# Altium PCB MB1312.PcbDoc (part 1 of 4) (continued)
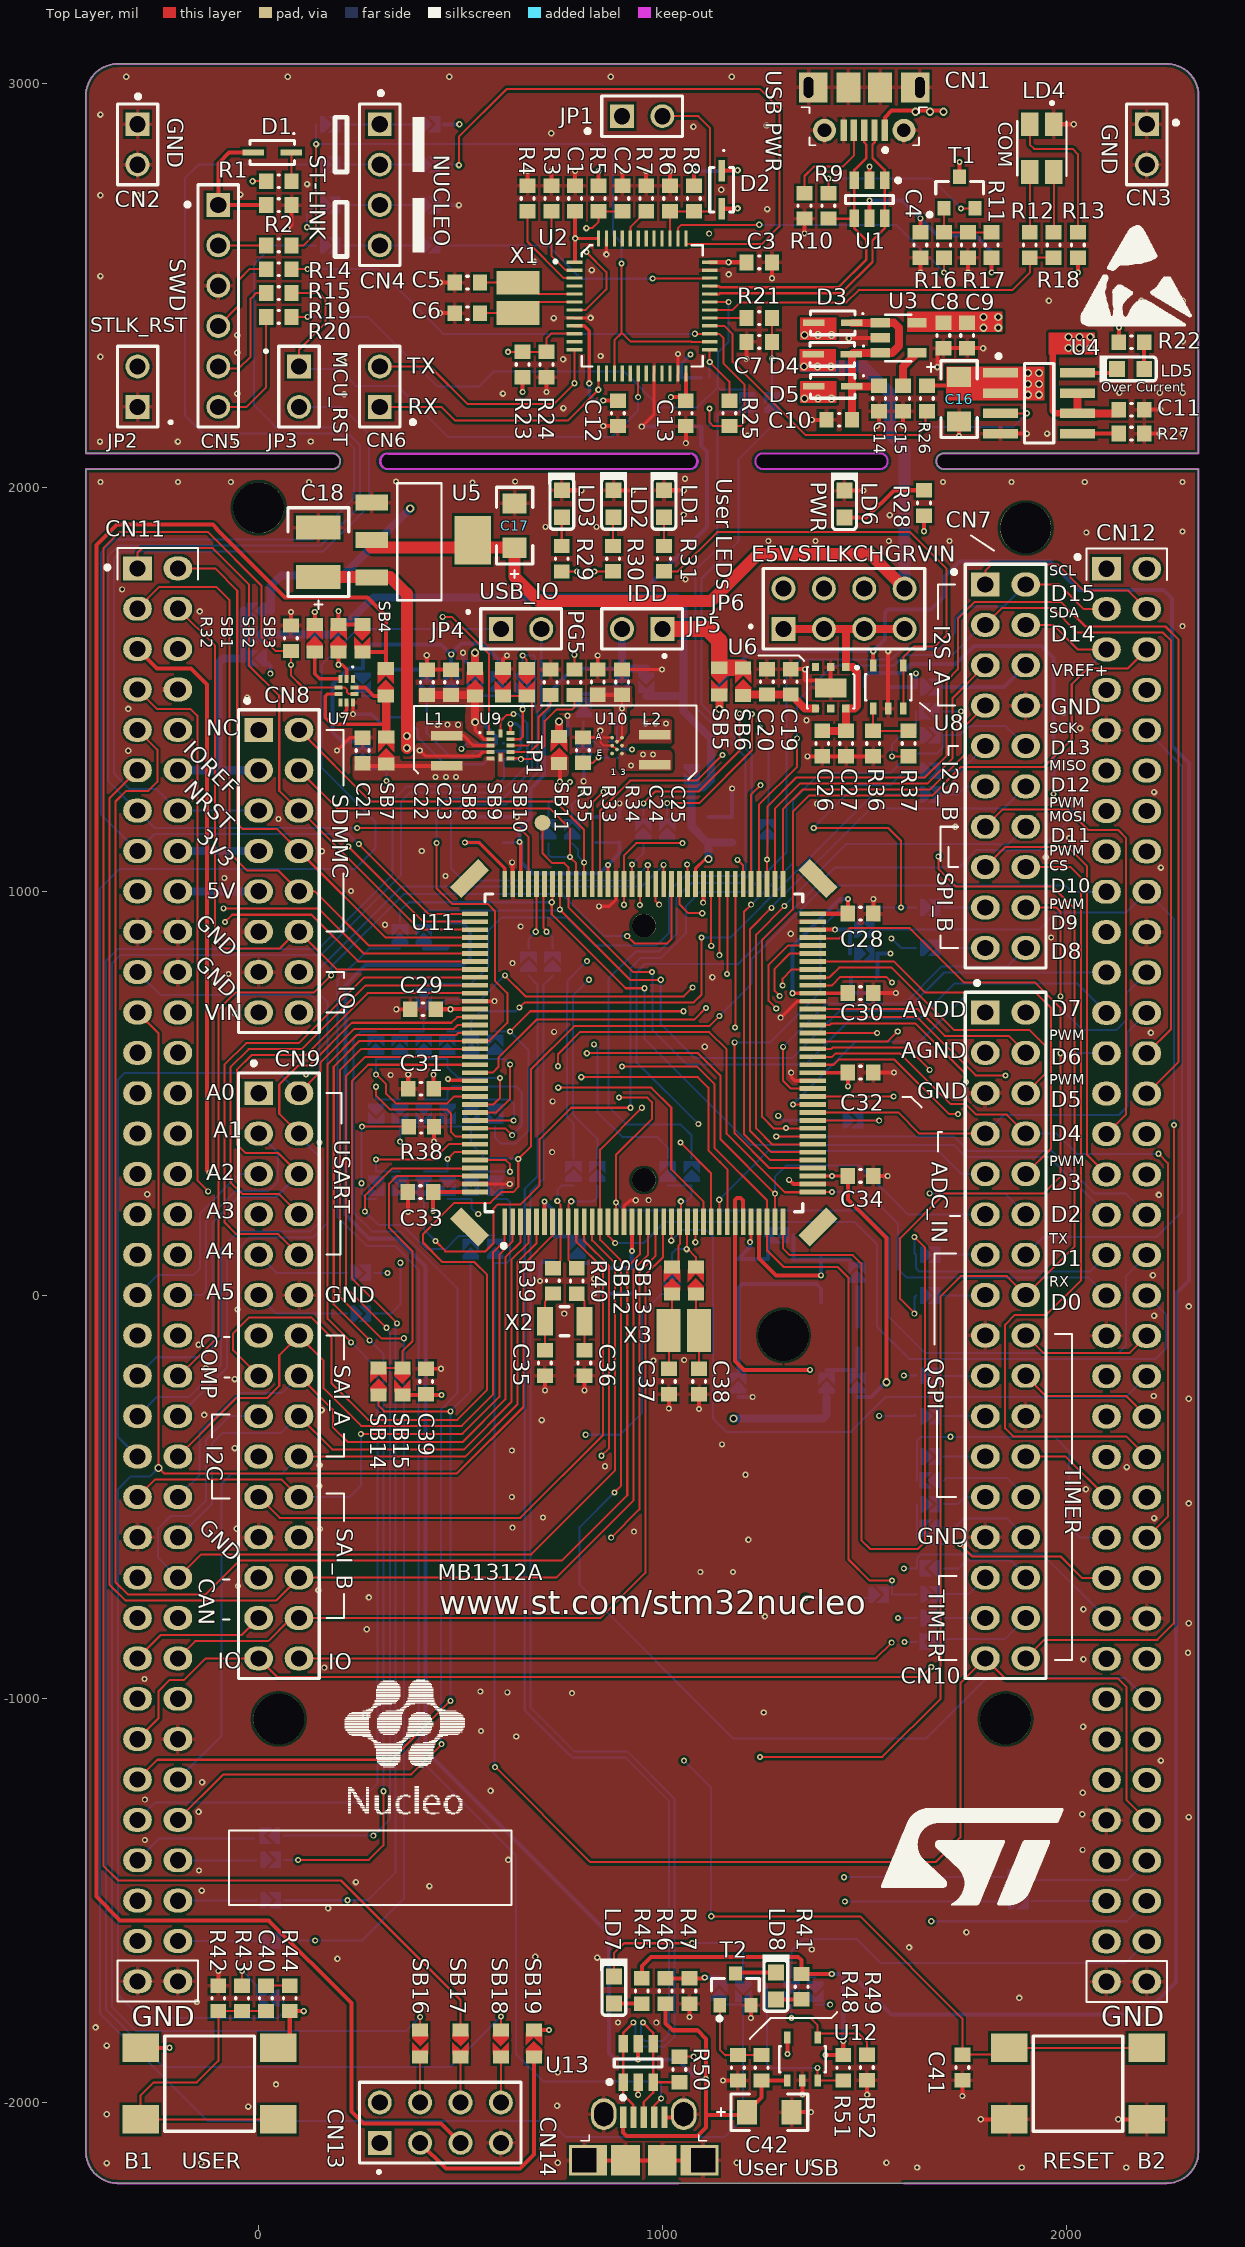
[diagram p0: Top Layer view]
## Components (designator, comment, footprint, x,y, rotation, side; value= is the part's Value field where it differs from the comment) (continued)
SB145 "Open" SB_0603 780,305 r270 bottom (schematic designator SB144)
SB146 "Open" SB_0603 839,305 r270 bottom (schematic designator SB145)
SB147 "Closed" SB_0603 1013.7,305 r270 bottom (schematic designator SB148)
SB148 "Open" SB_0603 1072.7,305 r270 bottom (schematic designator SB149)
SB149 "Closed" SB_0603 1291,148 r0 bottom (schematic designator SB365)
SB150 "Closed" SB_0603 1662,100 r180 bottom (schematic designator SB306)
SB151 "Open" SB_0603 252,55 r180 bottom (schematic designator SB143)
SB152 "Closed" SB_0603 1482,54.75 r270 bottom (schematic designator SB12)
SB153 "Open" SB_0603 252,-46 r180 bottom (schematic designator SB138)
SB154 "Closed" SB_0603 790,113.75 r270 bottom (schematic designator SB156)
SB155 "Closed" SB_0603 1662,-1 r180 bottom (schematic designator SB307)
SB156 "Closed" SB_0603 1024,36 r90 bottom (schematic designator SB163)
SB157 "Closed" SB_0603 1664,-200 r180 bottom (schematic designator SB308)
SB158 "Closed" SB_0603 1407,-219 r270 bottom (schematic designator SB371)
SB159 "Closed" SB_0603 1664,-300 r180 bottom (schematic designator SB309)
SB160 "Circuit Breaker" SB_0603 290.53,618.75 r270 bottom (schematic designator SB361)
SB161 "Circuit Breaker" SB_0603 349.53,618.75 r270 bottom (schematic designator SB362)
SB162 "Circuit Breaker" SB_0603 408.53,618.73 r270 bottom (schematic designator SB341)
SB163 "Circuit Breaker" SB_0603 526.53,619 r270 bottom (schematic designator SB343)
SB164 "Circuit Breaker" SB_0603 467.53,619 r270 bottom (schematic designator SB342)
SB165 "Circuit Breaker" SB_0603 585.53,619 r270 bottom (schematic designator SB344)
SB166 "Closed" SB_0603 1188,-219 r270 bottom (schematic designator SB162)
SB167 "Open" SB_0603 1483,-219 r270 bottom (schematic designator SB372)
SB168 "Closed" SB_0603 1664,-400 r180 bottom (schematic designator SB310)
SB169 "Closed" SB_0603 1664,-459 r0 bottom (schematic designator SB312)
SB170 "Closed" SB_0603 1664,-518 r180 bottom (schematic designator SB311)
SB171 "Circuit Breaker" SB_0603 291,450.75 r90 bottom (schematic designator SB350)
SB172 "Circuit Breaker" SB_0603 350,450.75 r90 bottom (schematic designator SB349)
SB173 "Circuit Breaker" SB_0603 409,450.75 r90 bottom (schematic designator SB348)
SB174 "Circuit Breaker" SB_0603 468,450.75 r90 bottom (schematic designator SB347)
SB175 "Circuit Breaker" SB_0603 526.53,450.75 r90 bottom (schematic designator SB346)
SB176 "Circuit Breaker" SB_0603 585.3,450.75 r90 bottom (schematic designator SB345)
SB177 "Closed" SB_0603 1664,-577 r0 bottom (schematic designator SB315)
SB178 "Open" SB_0603 1535,-742 r180 bottom (schematic designator SB180)
SB179 "Closed" SB_0603 1664,-741 r180 bottom
SB180 "Closed" SB_0603 1664.25,-677 r0 bottom (schematic designator SB317)
SB181 "Circuit Breaker" SB_0603 409,271.75 r90 bottom (schematic designator SB351)
SB182 "Closed" SB_0603 1664,-800 r180 bottom (schematic designator SB319)
SB183 "Circuit Breaker" SB_0603 291,271.75 r90 bottom (schematic designator SB363)
SB184 "Circuit Breaker" SB_0603 350,271.75 r90 bottom (schematic designator SB364)
SB185 "Circuit Breaker" SB_0603 527,271.75 r90 bottom (schematic designator SB353)
SB186 "Circuit Breaker" SB_0603 468,271.75 r90 bottom (schematic designator SB352)
SB187 "Circuit Breaker" SB_0603 586,271.75 r90 bottom (schematic designator SB354)
SB188 "Closed" SB_0603 1664,-859 r0 bottom (schematic designator SB320)
SB189 "Circuit Breaker" SB_0603 525,112.75 r270 bottom (schematic designator SB356)
SB190 "Circuit Breaker" SB_0603 586,113.75 r270 bottom (schematic designator SB355)
SB191 "Closed" SB_0603 28.75,-1339 r0 bottom (schematic designator SB313)
SB192 "Closed" SB_0603 28.75,-1399 r180 bottom (schematic designator SB314)
SB193 "Closed" SB_0603 1880.75,-1442 r0 bottom (schematic designator SB4)
SB194 "Closed" SB_0603 28.75,-1499 r180 bottom (schematic designator SB316)
SB195 "Closed" SB_0603 1880.75,-1501 r180 bottom (schematic designator SB7)
SB196 "Closed" SB_0603 28.75,-1599 r180 bottom (schematic designator SB318)
SB197 "Closed" SB_0603 28,-1741 r0 bottom (schematic designator SB173)
SB198 "Circuit Breaker" SB_0603 1200,-1724 r90 bottom (schematic designator SB185)
SB199 "Circuit Breaker" SB_0603 1141,-1723.94 r270 bottom (schematic designator SB184)
SB200 "Circuit Breaker" SB_0603 1320,-1724 r90 bottom (schematic designator SB187)
SB201 "Circuit Breaker" SB_0603 1379,-1724 r90 bottom (schematic designator SB186)
T1 "9013" SOT-23 1736,2731 r0 top locked
T2 "9013" SOT-23 1181.01,-1720 r0 top
TP1 "USB_SOF" TP 703,1170 r0 top
U1 "USBLC6-2SC6" SOT23-6L 1513,2714 r270 top
U2 "STM32F103CBT6" LQFP48_0R5_7x7 950,2450 r270 top locked
U3 "LDK120M33R" SOT23-5 1585,2371 r0 top locked
U4 "ST890CDR" SOIC8_1R27_4R9X6 1933,2209 r0 top locked
U5 "LDK1117S50TR" SOT-223 405,1870 r0 top
U6 "LD39050PU33R" DFN6_0R95_3x3_TP 1417,1504 r180 top
U7 "STG3684AUTR" QFN40P180X140X55-10N 218,1497 r270 top (schematic designator U304)
U8 "TSV631AILT" SOT-23-5L 1559.5,1506 r90 top (schematic designator U7)
U9 "ST1PS02D1QTR" QFN0P170X200X55-12N 599,1361 r0 top (schematic designator U305)
U10 "ST1PS01EJR" Flipchip8 887.69,1361.1 r0 top (schematic designator U301)
U11 "STM32L_LQFP144" LQFP144_0R5_SKT 954,600 r0 top locked (schematic designator U8)
U12 "STMPS2151STR" SOT-23-5L 1347,-1892 r90 top
U13 "USBLC6-2SC6" SOT23-6L 940,-1902 r90 top (schematic designator U306)
U14 "SN74LVC2T45DCUT" USOP8_0R5_2X3R1 1127,2212 r270 bottom (schematic designator U300)
U15 "ADP5301ACBZ-2-R7" WLCSP-9ball 588,1347 r180 bottom (schematic designator U303)
U16 "ADP5301ACBZ-2-R7" WLCSP-9ball 887.69,1351.26 r180 bottom (schematic designator U302)
X1 "NX3225GD-8.000M-EXS00A-CG04874" OSC_2SM_3R2x2R5 642,2470 r90 top
X2 "NX3215SA-32.768KHZ-EXS00A-MU00525" XTAL_2SM_3R2X1R5 758,-65 r180 top
X3 "NX3225GD-8.000M-EXS00A-CG04874[N/A]" OSC_2SM_3R2x2R5 1053,-88 r180 top

## Footprints (in the part's own frame and the unit in brackets; to place one, negate y for a bottom-side part, rotate by r counter-clockwise, add the part's x,y. Pads: shape width x height; smd on the part's side, far side on the other; paste and mask are expansions set on the pad)
0603C [mm] "Chip Capacitor, Body 1.6x0.8mm, Height 1.0mm, IPC Medium Density"
  rect 0.9x1 smd: 1(-0.8,0) 2(0.8,0)
  silkscreen extent -0.05,-0.4 0.05,0.4, body extent -0.87,-0.48 0.88,0.47, height 1
0603D-B [mm] "LED, SMT, Body 1.6 x 0.8 mm, 0.25mm Thickness"
  rect 1x1 smd paste+0 mask+0: 1(0.85,0) 2(-0.85,0)
  silkscreen extent -1.99,-0.85 1.6,0.85, body extent -0.8,-0.4 0.8,0.4, height 0.25
0603D-G [mm] "LED, SMT, Body 1.6 x 0.8 mm, 0.25mm Thickness"
  rect 1x1 smd paste+0 mask+0: 1(0.85,0) 2(-0.85,0)
  silkscreen extent -1.99,-0.84 1.6,0.86, body extent -0.8,-0.4 0.8,0.4, height 0.25
0603D-R [mm] "LED, SMT, Body 1.6 x 0.8 mm, 0.25mm Thickness"
  rect 1x1 smd paste+0 mask+0: 1(0.85,0) 2(-0.85,0)
  silkscreen extent -1.98,-0.86 1.6,0.84, body extent -0.8,-0.4 0.8,0.4, height 0.25
0603L [mil] "Bead 0603L"
  rect 30x30 smd: 1(27.5,0) 2(-27.5,0)
  silkscreen extent -2,-16 2,16, body extent -34,-19 34,19, height 24
0603R [mm] "Chip Resistor, Body 1.6x0.8mm, IPC Medium Density"
  rect 0.9x1 smd: 1(-0.8,0) 2(0.8,0)
  silkscreen extent -0.05,-0.4 0.05,0.4, body extent -0.85,-0.47 0.85,0.47, height 0.6
DFN6_0R95_3x3_TP [mm] "500 mA low quiescent current and low noise voltage regulator"
  rect 2x1.2 smd: 0(0,0)
  rect 0.45x0.5 smd: 1(-0.95,-1.3) 2(0,-1.3) 3(0.95,-1.3) 4(0.95,1.3) 5(0,1.3) 6(-0.95,1.3)
  silkscreen extent -1.71,-1.33 1.5,1.3, body extent -1.5,-1.5 1.5,1.5, height 1
ESDALC6V1-1U2 [mm]
  rect 0.45x0.3 smd: 1(-0.325,0) 2(0.325,0)
  body extent -0.31,-0.16 0.31,0.16, height 0.3
Flipchip8 [mm]
  round 0.23 smd: A1(-0.312,0.5) A3(0.312,0.5) B2(0,0.25) C1(-0.312,0) C3(0.312,0) D2(0,-0.25) E1(-0.312,-0.5) E3(0.312,-0.5)
  body extent -0.55,-0.7 0.55,0.7, height 0.55
HDR_1x2_2R54_V_M [mm] "Male Header, Pitch 2.54mm, 4x1 Position, Mated Height 6mm, Tail Length 10mm"
  rect 1.5x1.5 hole 1.02: 1(0,0)
  round 1.5 hole 1.02: 2(2.54,0)
  silkscreen extent -1.88,-1.27 3.81,1.27, body extent -1.27,-1.27 3.81,1.27, height 9
HDR_1x2_2R54_V_M_S [mm] "Male Header, Pitch 2.54mm, 4x1 Position, Mated Height 6mm, Tail Length 3mm"
  rect 1.5x1.5 hole 1.02: 1(0,0)
  round 1.5 hole 1.02: 2(2.54,0)
  silkscreen extent -1.27,-2.21 3.81,1.27, body extent -1.27,-1.27 3.81,1.27, height 9
HDR_1x4_2R54_V_M [mm] "Male Header, Pitch 2.54mm, 4x1 Position, Mated Height 6mm, Tail Length 3mm"
  rect 1.5x1.5 hole 1.02: 1(0,0)
  round 1.5 hole 1.02: 2(2.54,0) 3(5.08,0) 4(7.62,0)
  silkscreen extent -2.08,-1.27 8.89,1.27, body extent -1.27,-1.27 8.89,1.27, height 9
HDR_1x6_2R54_V_M [mm] "Male Header, Pitch 2.54mm, 6x1 Position, Mated Height 6mm, Tail Length 3mm"
  rect 1.5x1.5 hole 1.02: 1(0,0)
  round 1.5 hole 1.02: 2(2.54,0) 3(5.08,0) 4(7.62,0) 5(10.16,0) 6(12.7,0)
  silkscreen extent -1.27,-2.06 13.97,1.27, body extent -1.27,-1.27 13.97,1.27, height 9
HDR_2x36_2R54_V_M [mm] "Male Header, Pitch 2.54mm, 36x2 Position, Mated Height 6mm, Tail Length 3mm"
  rect 1.5x1.8 hole 1.02: 1(0,0)
  oval 1.5x1.8 hole 1.02: 2(0,2.54) 3(2.54,0) 4(2.54,2.54) 5(5.08,0) 6(5.08,2.54) 7(7.62,0) 8(7.62,2.54) 9(10.16,0) 10(10.16,2.54) 11(12.7,0) 12(12.7,2.54) 13(15.24,0) 14(15.24,2.54) 15(17.78,0) 16(17.78,2.54) 17(20.32,0) 18(20.32,2.54) 19(22.86,0) 20(22.86,2.54) 21(25.4,0) 22(25.4,2.54) 23(27.94,0) 24(27.94,2.54) 25(30.48,0) 26(30.48,2.54) 27(33.02,0) 28(33.02,2.54) 29(35.56,0) 30(35.56,2.54) 31(38.1,0) 32(38.1,2.54) 33(40.64,0) 34(40.64,2.54) 35(43.18,0) 36(43.18,2.54) 37(45.72,0) 38(45.72,2.54) 39(48.26,0) 40(48.26,2.54) 41(50.8,0) 42(50.8,2.54) 43(53.34,0) 44(53.34,2.54) 45(55.88,0) 46(55.88,2.54) 47(58.42,0) 48(58.42,2.54) 49(60.96,0) 50(60.96,2.54) 51(63.5,0) 52(63.5,2.54) 53(66.04,0) 54(66.04,2.54) 55(68.58,0) 56(68.58,2.54) 57(71.12,0) 58(71.12,2.54) 59(73.66,0) 60(73.66,2.54) 61(76.2,0) 62(76.2,2.54) 63(78.74,0) 64(78.74,2.54) 65(81.28,0) 66(81.28,2.54) 67(83.82,0) 68(83.82,2.54) 69(86.36,0) 70(86.36,2.54) 71(88.9,0) 72(88.9,2.54)
  silkscreen extent -1.27,-2.03 90.17,3.81, body extent -1.27,-1.27 90.17,3.81, height 9
HDR_4x2_2R54_V_M [mm]
  rect 1.5x1.5 hole 1.02: 1(0,0)
  round 1.5 hole 1.02: 2(0,2.54) 3(2.54,0) 4(2.54,2.54) 5(5.08,0) 6(5.08,2.54) 7(7.62,0) 8(7.62,2.54)
  silkscreen extent -1.27,-1.89 8.89,3.81, body extent -1.27,-1.27 8.89,3.81, height 9
HDR_8x2_2R54_V_F [mm] "Female Header, Pitch 2.54mm, 2x8 Position, Mated Height 6mm, Tail Length 3mm"
  rect 1.5x1.8 hole 1.02: 1(0,0)
  oval 1.5x1.8 hole 1.02: 2(0,2.54) 3(2.54,0) 4(2.54,2.54) 5(5.08,0) 6(5.08,2.54) 7(7.62,0) 8(7.62,2.54) 9(10.16,0) 10(10.16,2.54) 11(12.7,0) 12(12.7,2.54) 13(15.24,0) 14(15.24,2.54) 15(17.78,0) 16(17.78,2.54)
  silkscreen extent -1.96,-1.27 19.05,3.81, body extent -1.27,-1.27 19.05,3.81, height 8.64
HDR_10x2_2R54_V_F [mm] "Female Header, Pitch 2.54mm, 2x8 Position, Mated Height 6mm, Tail Length 3mm"
  rect 1.5x1.8 hole 1.02: 1(0,0)
  oval 1.5x1.8 hole 1.02: 2(0,2.54) 3(2.54,0) 4(2.54,2.54) 5(5.08,0) 6(5.08,2.54) 7(7.62,0) 8(7.62,2.54) 9(10.16,0) 10(10.16,2.54) 11(12.7,0) 12(12.7,2.54) 13(15.24,0) 14(15.24,2.54) 15(17.78,0) 16(17.78,2.54) 17(20.32,0) 18(20.32,2.54) 19(22.86,0) 20(22.86,2.54)
  silkscreen extent -1.27,-2.09 24.13,3.81, body extent -1.27,-1.27 24.13,3.81, height 8.64
HDR_15x2_2R54_V_F [mm] "Female Header, Pitch 2.54mm, 2x15 Position, Mated Height 6mm, Tail Length 3mm"
  rect 1.5x1.8 hole 1.02: 1(0,0)
  oval 1.5x1.8 hole 1.02: 2(0,2.54) 3(2.54,0) 4(2.54,2.54) 5(5.08,0) 6(5.08,2.54) 7(7.62,0) 8(7.62,2.54) 9(10.16,0) 10(10.16,2.54) 11(12.7,0) 12(12.7,2.54) 13(15.24,0) 14(15.24,2.54) 15(17.78,0) 16(17.78,2.54) 17(20.32,0) 18(20.32,2.54) 19(22.86,0) 20(22.86,2.54) 21(25.4,0) 22(25.4,2.54) 23(27.94,0) 24(27.94,2.54) 25(30.48,0) 26(30.48,2.54) 27(33.02,0) 28(33.02,2.54) 29(35.56,0) 30(35.56,2.54)
  silkscreen extent -2.01,-1.27 36.83,3.81, body extent -1.27,-1.27 36.83,3.81, height 8.64
HDR_17x2_2R54_V_F [mm] "Female Header, Pitch 2.54mm, 2x17 Position, Mated Height 6mm, Tail Length 3mm"
  rect 1.5x1.8 hole 1.02: 1(0,0)
  oval 1.5x1.8 hole 1.02: 2(0,2.54) 3(2.54,0) 4(2.54,2.54) 5(5.08,0) 6(5.08,2.54) 7(7.62,0) 8(7.62,2.54) 9(10.16,0) 10(10.16,2.54) 11(12.7,0) 12(12.7,2.54) 13(15.24,0) 14(15.24,2.54) 15(17.78,0) 16(17.78,2.54) 17(20.32,0) 18(20.32,2.54) 19(22.86,0) 20(22.86,2.54) 21(25.4,0) 22(25.4,2.54) 23(27.94,0) 24(27.94,2.54) 25(30.48,0) 26(30.48,2.54) 27(33.02,0) 28(33.02,2.54) 29(35.56,0) 30(35.56,2.54) 31(38.1,0) 32(38.1,2.54) 33(40.64,0) 34(40.64,2.54)
  silkscreen extent -1.98,-1.27 41.91,3.81, body extent -1.27,-1.27 41.91,3.81, height 8.64
HSMF-A201 [mm] "LED"
  rect 1.5x1.1 smd: 1(-1.5,0.75) 2(1.5,0.75) 3(1.5,-0.75) 4(-1.5,-0.75)
  silkscreen extent -2.89,-1.55 1.75,1.55, body extent -1.6,-1.4 1.6,1.4, height 1.2
L1008_L0805_CPT [mm]
  rect 0.6x2 smd: 1(-0.95,0) 2(0.95,0)
  body extent -1.24,-0.89 1.24,0.89, height 0.75
LQFP48_0R5_7x7 [mm] "Low & medium-density value line, advanced ARM-based 32-bit MCU"
  rect 0.2x1 smd: 1(-2.75,-4.25) 2(-2.25,-4.25) 3(-1.75,-4.25) 4(-1.25,-4.25) 5(-0.75,-4.25) 6(-0.25,-4.25) 7(0.25,-4.25) 8(0.75,-4.25) 9(1.25,-4.25) 10(1.75,-4.25) 11(2.25,-4.25) 12(2.75,-4.25) 25(2.75,4.25) 26(2.25,4.25) 27(1.75,4.25) 28(1.25,4.25) 29(0.75,4.25) 30(0.25,4.25) 31(-0.25,4.25) 32(-0.75,4.25) 33(-1.25,4.25) 34(-1.75,4.25) 35(-2.25,4.25) 36(-2.75,4.25)
  rect 1x0.2 smd: 13(4.25,-2.75) 14(4.25,-2.25) 15(4.25,-1.75) 16(4.25,-1.25) 17(4.25,-0.75) 18(4.25,-0.25) 19(4.25,0.25) 20(4.25,0.75) 21(4.25,1.25) 22(4.25,1.75) 23(4.25,2.25) 24(4.25,2.75) 37(-4.25,2.75) 38(-4.25,2.25) 39(-4.25,1.75) 40(-4.25,1.25) 41(-4.25,0.75) 42(-4.25,0.25) 43(-4.25,-0.25) 44(-4.25,-0.75) 45(-4.25,-1.25) 46(-4.25,-1.75) 47(-4.25,-2.25) 48(-4.25,-2.75)
  silkscreen extent -3.81,-5.52 3.81,3.81, body extent -3.5,-3.5 3.5,3.5, height 1.6
LQFP144_0R5_SKT [mm] "32-bit MCU ARM-based Cortex-M3 20 X 20mm, 0.5mm Pitch, 1.6mm Max thickness"
  rect 1x2.5 smd rot 45: 0(-10.96,-10.96) 0(10.96,10.96)
  rect 1x2.5 smd rot 135: 0(-10.96,10.96) 0(10.96,-10.96)
  round 1.5 hole 1.5 unplated: 0(0,-8) 0(0,8)
  rect 0.3x1.65 smd: 1(-8.75,-10.625) 2(-8.25,-10.625) 3(-7.75,-10.625) 4(-7.25,-10.625) 5(-6.75,-10.625) 6(-6.25,-10.625) 7(-5.75,-10.625) 8(-5.25,-10.625) 9(-4.75,-10.625) 10(-4.25,-10.625) 11(-3.75,-10.625) 12(-3.25,-10.625) 13(-2.75,-10.625) 14(-2.25,-10.625) 15(-1.75,-10.625) 16(-1.25,-10.625) 17(-0.75,-10.625) 18(-0.25,-10.625) 19(0.25,-10.625) 20(0.75,-10.625) 21(1.25,-10.625) 22(1.75,-10.625) 23(2.25,-10.625) 24(2.75,-10.625) 25(3.25,-10.625) 26(3.75,-10.625) 27(4.25,-10.625) 28(4.75,-10.625) 29(5.25,-10.625) 30(5.75,-10.625) 31(6.25,-10.625) 32(6.75,-10.625) 33(7.25,-10.625) 34(7.75,-10.625) 35(8.25,-10.625) 36(8.75,-10.625) 73(8.75,10.625) 74(8.25,10.625) 75(7.75,10.625) 76(7.25,10.625) 77(6.75,10.625) 78(6.25,10.625) 79(5.75,10.625) 80(5.25,10.625) 81(4.75,10.625) 82(4.25,10.625) 83(3.75,10.625) 84(3.25,10.625) 85(2.75,10.625) 86(2.25,10.625) 87(1.75,10.625) 88(1.25,10.625) 89(0.75,10.625) 90(0.25,10.625) 91(-0.25,10.625) 92(-0.75,10.625) 93(-1.25,10.625) 94(-1.75,10.625) 95(-2.25,10.625) 96(-2.75,10.625) 97(-3.25,10.625) 98(-3.75,10.625) 99(-4.25,10.625) 100(-4.75,10.625) 101(-5.25,10.625) 102(-5.75,10.625) 103(-6.25,10.625) 104(-6.75,10.625) 105(-7.25,10.625) 106(-7.75,10.625) 107(-8.25,10.625) 108(-8.75,10.625)
  rect 1.65x0.3 smd: 37(10.625,-8.75) 38(10.625,-8.25) 39(10.625,-7.75) 40(10.625,-7.25) 41(10.625,-6.75) 42(10.625,-6.25) 43(10.625,-5.75) 44(10.625,-5.25) 45(10.625,-4.75) 46(10.625,-4.25) 47(10.625,-3.75) 48(10.625,-3.25) 49(10.625,-2.75) 50(10.625,-2.25) 51(10.625,-1.75) 52(10.625,-1.25) 53(10.625,-0.75) 54(10.625,-0.25) 55(10.625,0.25) 56(10.625,0.75) 57(10.625,1.25) 58(10.625,1.75) 59(10.625,2.25) 60(10.625,2.75) 61(10.625,3.25) 62(10.625,3.75) 63(10.625,4.25) 64(10.625,4.75) 65(10.625,5.25) 66(10.625,5.75) 67(10.625,6.25) 68(10.625,6.75) 69(10.625,7.25) 70(10.625,7.75) 71(10.625,8.25) 72(10.625,8.75) 109(-10.625,8.75) 110(-10.625,8.25) 111(-10.625,7.75) 112(-10.625,7.25) 113(-10.625,6.75) 114(-10.625,6.25) 115(-10.625,5.75) 116(-10.625,5.25) 117(-10.625,4.75) 118(-10.625,4.25) 119(-10.625,3.75) 120(-10.625,3.25) 121(-10.625,2.75) 122(-10.625,2.25) 123(-10.625,1.75) 124(-10.625,1.25) 125(-10.625,0.75) 126(-10.625,0.25) 127(-10.625,-0.25) 128(-10.625,-0.75) 129(-10.625,-1.25) 130(-10.625,-1.75) 131(-10.625,-2.25) 132(-10.625,-2.75) 133(-10.625,-3.25) 134(-10.625,-3.75) 135(-10.625,-4.25) 136(-10.625,-4.75) 137(-10.625,-5.25) 138(-10.625,-5.75) 139(-10.625,-6.25) 140(-10.625,-6.75) 141(-10.625,-7.25) 142(-10.625,-7.75) 143(-10.625,-8.25) 144(-10.625,-8.75)
  silkscreen extent -10,-12.27 10,10, body extent -17.12,-17.12 17.12,17.13, height 14.3
"Micro-AB or MicroB" [mm]
  rect 0.4x1.35 smd: 1(-1.3,1.25) 2(-0.65,1.25) 3(0,1.25) 4(0.65,1.25) 5(1.3,1.25)
  oval 1.6x2 hole 1.2 slot 1.5 at 90 deg: 6(-2.519,1.45) 11(2.51,1.45)
  rect 2.4x1.9 hole 1.5 square copper offset 0.25,0: 7(-3.75,-1.45)
  rect 1.8x1.9 smd: 8(-1.15,-1.45) 9(1.15,-1.45)
  rect 2.4x1.9 hole 1.5 square copper offset -0.25,0: 10(3.75,-1.45)
  silkscreen extent -3.95,-0.21 3.95,2.62, body extent -4.1,-3.96 4.1,1.44, height 2.58
Molex_1050170001 [mm] "USB Micro-B Connector"
  rect 0.4x1.35 smd: 1(-1.3,0) 2(-0.65,0) 3(0,0) 4(0.65,0) 5(1.3,0)
  round 1.45 hole 0.85: 6(-2.5,0) 11(2.5,0)
  rect 1.8x1.9 hole 0.6 slot 1.3 at 90 deg copper offset 0.3,0: 7(-3.5,-2.7)
  rect 1.5x1.9 smd: 8(-1,-2.7) 9(1,-2.7)
  rect 1.8x1.9 hole 0.6 slot 1.3 at 90 deg copper offset -0.3,0: 10(3.5,-2.7)
  silkscreen extent -3.95,-1.46 3.95,1.37, body extent -4.1,-5.21 4.1,0.19, height 2.58
OSC_2SM_3R2x2R5 [mm] "Crystal 8M Hz 3.2x2.5mm SMD"
  rect 1.5x2.7 smd: 1(-0.95,0) 2(0.95,0)
  body extent -1.6,-1.25 1.6,1.25, height 1
PB-6X6mm-Black [mm] "Surface Mounting Type Tact Switch, 4-Leads, Body 6x6mm, Height 4.5mm Black"
  rect 2.3x1.8 smd: 1(4.325,2.25) 2(4.325,-2.25) 3(-4.325,-2.25) 4(-4.325,2.25)
  silkscreen extent -2.83,-3 2.81,3, body extent -3,-3 3,3, height 10.5
PB-6X6mm-Blue [mm] "Surface Mounting Type Tact Switch, 4-Leads, Body 6x6mm, Height 4.5mm,Blue"
  rect 2.3x1.8 smd: 1(4.325,2.25) 2(4.325,-2.25) 3(-4.325,-2.25) 4(-4.325,2.25)
  silkscreen extent -2.83,-3 2.81,3, body extent -3,-3 3,3, height 10.5
QFN0P170X200X55-12N [mm]
  rect 0.5x0.25 smd: 1(-0.625,0.8) 2(-0.625,0.4) 3(-0.625,0) 4(-0.625,-0.4) 5(-0.625,-0.8) 7(0.625,-0.8) 8(0.625,-0.4) 9(0.625,0) 10(0.625,0.4) 11(0.625,0.8)
  rect 0.25x0.5 smd: 6(0,-0.75) 12(0,0.75)
  silkscreen extent -1.35,0.76 -1.25,0.86, body extent -0.85,-1 0.85,1, height 0.55
QFN40P180X140X55-10N [mm]
  rect 0.5x0.25 smd: 1(-0.75,0.4) 2(-0.75,0) 3(-0.75,-0.4) 6(0.75,-0.4) 7(0.75,0) 8(0.75,0.4)
  rect 0.25x0.5 smd: 4(-0.2,-0.5) 5(0.2,-0.5) 9(0.2,0.5) 10(-0.2,0.5)
  silkscreen extent -1.55,0.33 -1.45,0.43, body extent -0.9,-0.65 0.9,0.65, height 0.5
SB_0603 [mil] "Jumper"
  rect 32x40 smd: 1(33.75,0) 2(-33.75,0)
  Top Layer region: 23.75,20 13.75,20 -6.25,0 13.75,-20 23.75,-20
  Top Layer region: -26.25,0 -16.25,0 3.75,20 -26.25,20
  Top Layer region: -26.25,0 -16.25,0 3.75,-20 -26.25,-20
SOD-323 [mm] "Diode"
  rect 1.35x0.4 smd: 1(-1.2,0) 2(1.2,0)
  silkscreen extent -1.4,-0.75 1.4,1.24, body extent -1.35,-0.72 1.35,0.72, height 1.17
SOIC8_1R27_4R9X6 [mm] "1.2 A current limited high-side power switch with thermal shutdown"
  rect 2.2x0.6 smd: 1(-2.425,1.905) 2(-2.425,0.635) 3(-2.425,-0.635) 4(-2.425,-1.905) 5(2.425,-1.905) 6(2.425,-0.635) 7(2.425,0.635) 8(2.425,1.905)
  silkscreen extent -2.67,-2.5 0.93,3.08, body extent -2,-2.5 2,2.5, height 1.45
SOT23-5 [mm]
  rect 1.2x0.6 smd: 1(-1.15,0.95) 2(-1.15,0) 3(-1.15,-0.95) 4(1.15,-0.95) 5(1.15,0.95)
  silkscreen extent -0.84,-1.46 0.81,1.46, body extent -0.87,-1.5 0.88,1.5, height 1.45
SOT23-6L [mm]
  rect 1.1x0.6 smd: 1(-1.2,0.95) 2(-1.2,0) 3(-1.2,-0.95) 4(1.2,-0.95) 5(1.2,0) 6(1.2,0.95)
  silkscreen extent -1.32,-1.5 0.25,1.93, body extent -0.86,-1.51 0.87,1.52, height 1.25
SOT-23 [mm]
  rect 0.8x0.9 smd: 1(-0.98,-1) 2(0.98,-1) 3(0,1)
  silkscreen extent -2,-1.52 1.5,0.7, body extent -1.52,-0.7 1.52,0.7, height 1.11
SOT-23-5L [mil] "Enhanced single channel power switches"
  rect 30x16 smd: 1(-53.15,37.4) 2(-53.15,0) 3(-53.15,-37.4) 4(53.15,-37.4) 5(53.15,37.4)
  silkscreen extent -33,-58 32,57, body extent -34,-59 34,59, height 57
SOT-223 [mil] "Adjustable and fixed low drop positive voltage regulator"
  rect 80x40 smd: 1(-125,93) 2(-125,0) 3(-125,-93)
  rect 90x120 smd: 4(125,0)
  silkscreen extent -62,-149 48,141, body extent -84,-132 62,132, height 71
TAN-A [mil] "TAN Capacitor"
  rect 50x60 smd: 1(55,0) 2(-55,0)
  silkscreen extent -95,-45 95,80, body extent -47,-35 47,35, height 39
TAN-B [mm] "Tan Capacitor"
  rect 1.5x2.8 smd: 1(1.55,0) 2(-1.55,0)
  silkscreen extent -2.79,-1.9 3.56,1.91, body extent -1.76,-1.54 1.7,1.54, height 1
TP [mm] "Testpoint, Surface Mounting, Circular, Pad Diameter 1mm"
  round 1 smd: 1(0,0)
USOP8_0R5_2X3R1 [mm]
  rect 0.8x0.3 smd: 1(-1.55,0.75) 2(-1.55,0.25) 3(-1.55,-0.25) 4(-1.55,-0.75) 5(1.55,-0.75) 6(1.55,-0.25) 7(1.55,0.25) 8(1.55,0.75)
  silkscreen extent -2.76,-1.05 0.3,1.05, body extent -1.2,-1.05 1.2,1.05, height 0.9
WLCSP-9ball [mm]
  round 0.32 smd: A1(-0.5,0.5) A2(0,0.5) A3(0.5,0.5) B1(-0.5,0) B2(0,0) B3(0.5,0) C1(-0.5,-0.5) C2(0,-0.5) C3(0.5,-0.5)
  body extent -0.82,-0.92 0.83,0.93, height 0.6
XTAL_2SM_3R2X1R5 [mm] "CRYSTAL 32.768KHZ 6PF SMD 2 pads"
  rect 1x1.8 smd: 1(-1.25,0) 2(1.25,0)
  silkscreen extent -0.28,-0.91 0.28,0.91, body extent -1.63,-0.75 1.58,0.75, height 0.89